# KiCad board TRS80IJP_1.kicad_pcb (continued)
## Routing (per net, layer and track width the routed paths; a pad name or vN(x,y) marks a point on that pad's centre or on a via; arc(x,y) is an arc through that point) (continued)
/D4: length 350.6
  Top w0.25: v1(341.11,145.87) 341.63,146.39 v1(346.05,146.39) 351.11,146.39 352.18,145.32 RP1.2 ; E1.18 350.25,173.92 349.78,173.45 349.78,173.43 348.83,172.48 v1(348.83,168.73) ; v1(341.03,87.38) 341.33,87.08 349.81,87.08 351.1,85.79 Z30.13 ; v1(342.89,102.29) 342.65,102.53 339.87,102.5 338.99,102.5 338.98,102.51 338.16,102.51 Z23.12 ; v1(250.87,127.52) 252.76,129.41 278.17,129.41 280.89,132.13 294.49,132.13 294.51,132.11 294.81,132.74 297.38,137.96 297.7,138.46 307.62,138.47 312.92,132.39 326.35,132.43 327.5,133.58 336.11,133.58 336.87,132.82 341.69,132.82 341.7,132.83 342.32,132.83 342.72,132.43 344.86,132.43 v1(345.29,132.86)
  Bottom w0.25: v1(346.05,146.39) 348.17,148.51 348.17,158.44 349.49,159.76 349.49,168.07 v1(348.83,168.73) ; Z12.16 172.26,109.09 172.26,120.47 174.23,122.44 181.85,122.44 185.72,126.31 194.17,126.31 201.67,133.81 234.14,133.81 238.56,129.39 249,129.39 v1(250.87,127.52) 250.87,123.08 252.64,121.31 252.64,116.95 Z18.2 ; v1(342.89,102.29) 343.06,102.29 345.19,100.16 345.19,95.42 340.99,91.22 340.99,87.42 v1(341.03,87.38) ; Z23.12 338.5,102.85 338.5,103.17 338.83,103.5 343.83,108.18 343.83,124.51 344.9,125.58 344.9,132.47 v1(345.29,132.86) 345.29,134.66 343.18,136.77 343.18,143.8 v1(341.11,145.87)
/D5: length 358.4
  Top w0.25: 353.56,104.99 350.18,104.99 348.76,103.57 345.11,103.57 343.68,105 Z23.13 ; v1(373.94,134.18) 372.81,133.05 360.27,132.85 357.96,135.16 352.12,135.16 350.52,133.56 347.74,133.56 346.63,134.67 343.47,134.67 343.04,134.24 v1(343.04,134.18) 342.76,133.9 337.45,133.9 336.91,134.44 327.04,134.44 325.97,133.37 313.15,133.34 303.93,144.64 299.1,144.61 298.01,142.14 297.66,141.27 297.35,140.55 296.68,138.78 295.89,137 295.19,135.52 294.43,133.89 293.97,132.98 293.96,132.99 280.59,132.99 277.76,130.16 252.45,130.16 251.08,129.09 249.57,128.81 247.85,127.68 v1(241.82,127.84) ; v1(361.26,171.58) 362.9,173.22 362.9,178.8 E1.28
  Bottom w0.25: Z12.15 173,105.75 173.15,119.83 174.89,121.57 182.27,121.57 186.17,125.47 194.11,125.56 202.04,132.95 233.52,132.95 238.63,127.84 v1(241.82,127.84) 241.21,127.23 241.21,116.15 242.27,115.09 Z17.2 ; 338.37,105.07 343.02,109.72 343.02,124.89 344.05,125.92 344.05,133.21 343.08,134.18 v1(343.04,134.18) ; v1(361.26,171.58) 361.03,171.35 361.03,167.25 369.85,160.24 369.7,141.63 371.47,140.5 374.15,139.09 374.2,139.04 374.2,134.44 v1(373.94,134.18)
/D6: length 418.7
  Top w0.25: Z59.3 166.23,32.5 v1(166.25,32.47) ; v1(364.64,137.75) 364.55,137.66 353.73,137.66 RP1.5 353.34,138.05 352.06,138.05 352.05,138.06 v1(340.89,138.06) 333.86,138.06 333.41,137.61 330.2,137.61 329.51,138.3 326.95,138.3 322.87,134.22 315.62,134.22 313.59,134.19 304.29,145.34 304.11,145.52 298.58,145.54 297.18,142.47 295.74,139.04 294.22,135.47 293.42,133.91 293.25,133.74 280.04,133.74 277.17,130.87 252.37,130.87 251.8,130.3 250.91,130.3 249.95,129.34 220.75,129.34 v1(219.17,127.76) ; E1.24 357.87,173.66 v1(356.02,171.81) ; 345.94,107.53 338.46,107.53 338.37,107.61
  Bottom w0.25: v1(364.64,137.75) 365.25,138.36 365.25,148.93 364.5,149.68 364.52,159.32 361.82,161.46 356.47,165.71 356.44,166.06 356.44,171.39 v1(356.02,171.81) ; v1(340.89,138.06) 341.71,137.24 341.74,137.24 341.78,137.2 341.78,133.18 343.23,131.73 343.24,131.73 343.24,126.18 342.22,125.16 342.22,110.89 338.96,107.63 338.96,107.61 338.89,107.54 Z23.14 ; Z16.2 230.41,115.09 229.47,116.03 229.47,121.81 223.5,127.78 219.19,127.78 v1(219.17,127.76) 215.09,131.84 204,131.84 202.5,131.82 200.2,130.07 194.55,124.73 186.57,124.73 182.63,120.79 175.69,120.79 173.84,118.94 173.84,105.59 Z12.14 168.4,100.15 168.4,73.59 167.06,72.25 167.06,68 168.43,66.63 168.43,55.7 166.73,54 166.73,40.12 166,39.39 166,32.72 v1(166.25,32.47)
/D7: length 530.6
  Top w0.25: v1(80.68,5.22) 80.88,5.22 81.9,6.23 87.61,6.21 88.06,6.65 96.18,6.62 97.48,5.2 106.38,5.2 108.91,7.73 117.59,7.73 117.97,7.35 130.34,7.35 132.14,9.15 140.49,9.15 140.51,9.13 140.75,9.13 143.23,11.61 160.19,11.61 162.86,8.94 v1(165.15,8.94) ; v1(166.21,27.32) 166.12,27.42 Z59.5 ; E1.20 352.79,173.47 v1(351.03,171.71) ; 338.3,112.56 338.35,112.61 345.94,112.61 ; v1(215.24,122.61) 215.26,122.63 v1(215.26,128.55) 216.85,130.14 248.53,129.98 250.22,130.66 251.88,131.39 252.41,131.64 276.63,131.64 279.62,134.63 292.65,134.63 292.66,134.64 294.8,139.33 297.85,146.41 334.45,146.27 338.51,142.21 v1(339.68,142.21) 339.69,142.22 v1(347.55,142.22) 348.14,142.81 353.66,142.81 RP1.3
  Bottom w0.25: v1(351.03,171.71) 351.36,171.38 351.36,159.28 350.14,158.06 350.14,144.81 v1(347.55,142.22) ; 338.3,112.56 338.7,112.56 340.56,114.42 340.56,128.64 339.45,129.75 339.45,131.81 340.79,133.15 340.79,135.84 339.36,137.27 339.36,141.89 v1(339.68,142.21) ; v1(80.68,5.22) 80.67,5.22 75.95,9.94 75.95,13.2 73.54,15.61 73.54,22.7 72.12,24.12 72.12,30.75 Z53.2 ; v1(165.15,8.94) 165.15,9.06 165.93,9.84 165.93,13.36 168.05,15.48 168.05,25.48 v1(166.21,27.32) 166.21,27.4 167.81,29 167.81,34.58 167.22,35.17 167.22,40.3 167.66,40.74 167.66,53.74 169.14,55.22 169.14,67.49 167.92,68.71 167.92,71.91 169.45,73.44 169.45,91.01 169.14,91.32 169.14,98.35 Z12.13 171.81,100.99 172.51,102.03 172.81,102.54 174.6,105.4 174.61,105.51 174.7,118.58 176.23,120.11 182.4,120.11 182.42,120.09 183.24,120.09 187.1,123.95 195.17,123.95 200.52,129.3 214.51,129.3 v1(215.26,128.55) ; v1(215.24,122.61) 214.67,122.04 214.67,116.48 215.9,115.25 216.43,115.25 Z15.2
/KEYBOARD & EDGE CONNECTOR/MD0: length 366.5
  Top w0.25: v1(247.04,57) 242.93,61.11 235.76,61.11 231.23,56.58 224.11,56.58 222.86,57.83 Z43.9 211.48,57.83 210.29,56.64 204.88,56.64 203.69,57.83 Z42.9 ; v1(365.36,120.2) 365.25,120.31 RP2.3 357.7,120.31 355.08,117.69 351,117.69 349.73,118.95 335.47,118.95 334.9,118.38 332.58,118.38 331.92,119.04 v1(323.68,119.04) ; v1(254.61,79.62) 254.61,79.44 255.68,78.37 264.88,78.37 265.85,79.34 278.1,79.34 279.33,80.57 287.03,80.57 288.14,79.46 299.09,79.46 301.27,77.28 304.04,77.28 305.69,78.93 310.96,78.93 v1(311.72,78.17)
  Bottom w0.25: v1(254.61,79.62) 254.61,78.21 249.71,73.31 249.71,64.59 249.75,64.55 246.87,61.67 246.87,57.17 v1(247.04,57) ; v1(365.36,120.2) 365.61,119.95 365.1,114.11 364.59,111.06 364.59,94.8 365.61,92.52 365.86,91.25 365.36,88.71 365.1,72.2 365.1,44.26 365.36,44 368.66,41.97 374.25,38.67 374.25,8.44 377.11,5.58 377.11,4.68 ; v1(323.68,119.04) 323,118.36 323,114.91 Z22.14 323.45,109.74 323.45,85.66 320.66,82.87 314.06,82.87 311.72,80.53 v1(311.72,78.17)
  Bottom w1.5: 376.88,4.19 376.86,4.16 CN3.11
/KEYBOARD & EDGE CONNECTOR/MD1: length 380.8
  Top w0.25: v1(316.83,112.82) 315.19,112.82 314.14,113.87 309.91,113.87 308.58,112.55 305.35,112.55 ; v1(252.69,80.99) 255.33,80.99 257.18,79.14 264.05,79.14 265.18,80.27 277.59,80.27 278.71,81.39 287.65,81.39 288.67,80.37 301.83,80.37 v1(303.15,79.05) ; v1(316.83,120.15) 321.78,120.15 323.09,121.46 332.17,121.46 332.66,121.95 334.74,121.95 335.21,121.48 340.86,121.48 342.12,120.23 345.94,120.23 346.02,120.15 350.05,120.15 351.22,118.98 354.77,118.98 355.65,119.86 355.65,121.59 357.12,123.06 360.14,123.06 ; v1(245.89,54.31) 245.65,54.55 232.82,54.55 232.37,54.1 224.09,54.1 222.9,55.29 Z43.10 211.61,55.29 210.33,54.01 206.69,54.01 206.05,53.37 198.75,53.37 196.83,55.29 Z42.10
  Bottom w0.25: v1(316.83,120.15) v1(316.83,112.82) ; v1(303.15,79.05) 303.15,80 302.63,80.52 302.63,85.46 307.27,88.39 307.31,88.42 307.36,88.47 307.36,111.34 306.15,112.55 305.35,112.55 ; v1(252.69,80.99) 252.69,78.13 248.92,74.36 248.92,65.06 245.5,61.64 245.5,54.9 245.89,54.51 v1(245.89,54.31) ; 374.38,4.19 374.38,3.69 373.65,2.96 366.61,3 364.85,1.27 CN3.16 ; 373.08,7.69 374.54,6.29 374.57,5.97 374.57,4.68 ; 373.07,7.7 373.06,38.26 368.73,40.89 364.34,43.59 364.44,88.66 364.83,90.07 364.83,92 364.13,93.17 363.69,94.44 363.44,97.4 363.72,110.12 364.17,116.56 363.47,121.2 361.8,122.32 RP2.2
/KEYBOARD & EDGE CONNECTOR/MD2: length 376.4
  Top w0.25: v1(268.71,87.4) 269.13,87.82 290.69,87.82 v1(291.39,87.12) 292.35,88.08 316.24,88.08 317.69,89.53 317.69,91.51 322.32,96.14 322.32,109.07 324.53,111.28 333.67,111.28 336.21,113.82 349.44,113.82 350.68,112.57 350.72,112.61 353.69,112.61 353.98,112.32 356.93,112.32 358.42,113.81 358.42,114.87 358.78,115.23 RP2.5 ; Z42.11 197.58,52.75 198.29,52.04 206.49,52.04 207.01,51.52 210.55,51.52 211.78,52.75 Z43.11 214.03,52.95 214.4,52.95 222.47,52.89 225.6,51.49 231.9,51.49 232.56,52.15 240.47,52.15 241.22,51.4 243.39,51.4 244.92,52.93 248.09,52.93 251.69,56.53 256.24,56.53 v1(257.03,55.74) ; CN3.10 379.36,1.94 378.69,2.61 373.88,2.61 372.67,3.82 372.67,3.83 372.31,4.19 371.88,4.19
  Bottom w0.25: v1(291.39,87.12) 293.23,88.96 293.23,97.73 293.74,98.24 293.74,111.26 292.45,112.55 Z20.14 ; 372.03,4.68 372.03,37.91 369.93,39.18 369.45,39.43 368.18,40.19 367.39,40.7 364.59,42.48 363.73,43.09 363.58,43.24 363.58,90.23 363.83,90.74 363.83,92.01 362.82,93.79 362.82,114.87 362.56,115.12 360.12,115.12 RP2.5 ; v1(268.71,87.4) 271.18,84.93 271.14,80.29 264.38,76.05 264.26,72.24 257.03,65.01 v1(257.03,55.74)
/KEYBOARD & EDGE CONNECTOR/MD3: length 340.9
  Top w0.25: v1(362.47,91.31) 363.74,90.04 363.74,83.88 363.14,83.28 v1(361.42,83.28) 353.71,83.28 353.67,83.24 351.98,83.24 350.56,84.65 327.91,84.65 325.26,81.87 310.26,81.87 309.07,80.68 304,80.68 303.46,81.22 289.15,81.22 288.33,82.04 287.23,82.04 286.94,82.33 278.01,82.33 277.51,81.83 v1(276.2,81.83) 275.95,81.58 265.13,81.58 263.56,80.01 257.69,80.01 255.09,82.61 251.02,82.61 v1(250.7,82.29) ; Z42.13 210.73,50.21 211.99,51.47 215.91,51.47 216.45,52.01 222.41,51.99 224.87,50.93 225.92,50.43 226.49,50.22 226.47,50.21 Z43.13 231.99,50.21 232.92,51.14 239.82,51.14 240.55,50.41 245.03,50.41 v1(245.69,51.07) ; CN3.13 369.38,3.74 369.38,4.19
  Bottom w0.25: v1(361.42,83.28) 362.56,82.14 362.82,42.73 363.07,42.48 364.34,41.72 370.85,37.4 370.85,6.04 369.49,4.68 ; v1(250.7,82.29) 250.7,77.28 248.04,74.62 248.04,65.44 244,61.4 244,58.1 244.52,57.58 244.52,54.93 244.16,54.57 244.16,52.6 v1(245.69,51.07) ; RP2.7 361.11,110.15 361.78,109.48 361.78,93.41 361.77,93.4 361.77,92.01 v1(362.47,91.31) ; v1(276.2,81.83) 276.77,82.8 279.32,89.45 279.41,101.97 279.42,101.98 279.42,110.54 279.41,110.54 Z19.14
/KEYBOARD & EDGE CONNECTOR/MD4: length 343.7
  Top w0.25: Z42.14 210.45,52.75 211.55,53.91 223.15,53.91 224.31,52.75 Z43.14 229.31,52.51 231.46,52.51 232.04,53.09 v1(242.22,53.09) ; v1(248.99,83.28) 249.22,83.51 255.76,83.51 258.21,81.06 260.01,81.06 260.96,82.01 v1(260.96,82.26) 260.96,82.46 262.13,83.63 271.08,83.63 271.1,83.61 271.74,83.61 272.69,84.56 287.5,84.56 288.64,83.42 293.37,83.42 295.06,85.11 313.83,85.11 315.7,83.24 324.43,83.24 331.61,90.42 342.41,90.42 343.25,89.58 349.8,89.58 350.99,88.39 353.68,88.39 353.75,88.32 353.78,88.34 359.8,88.34 v1(360.23,88.77)
  Bottom w0.25: RP2.9 360.67,104.41 360.67,89.21 v1(360.23,88.77) 359.79,88.33 359.79,82.97 361.92,80.84 361.92,42.43 362.01,42.34 369.57,37.32 369.6,36.65 369.6,7.33 366.95,4.68 ; v1(248.99,83.28) 248.99,76.71 247.16,74.88 247.16,65.93 243.01,61.78 243.01,57.65 243.56,57.1 243.56,55.27 242.19,53.9 242.19,53.12 v1(242.22,53.09) ; CN3.18 360.79,2.7 365.39,2.7 366.88,4.19 ; Z18.14 263.37,112.55 264.15,111.77 264.15,95.94 262.85,94.64 262.85,86.13 265.62,83.36 265.62,81.79 264.62,80.79 262.43,80.79 v1(260.96,82.26)
/KEYBOARD & EDGE CONNECTOR/MD5: length 357.5
  Top w0.25: 364.38,4.19 365.58,5.38 370.54,5.38 370.56,5.36 370.56,3.86 371.4,3.02 372.61,3.02 CN3.12 ; Z42.15 210.26,55.29 211.6,56.63 222.79,56.63 224.13,55.29 Z43.15 232.02,55.29 232.77,56.04 v1(242.09,56.04) ; v1(246.92,86.72) 247.12,86.52 263.3,86.52 264.67,85.15 270.71,85.15 271.66,86.1 288.47,86.1 289.68,84.89 292.61,84.89 294.33,86.61 316.89,86.61 319.28,89 319.28,90.94 323.8,95.46 323.8,106 325.13,107.33 328.28,107.33 329.42,106.19 329.43,106.2 348.96,106.2 350.29,107.53 359.93,107.53 RP2.8
  Bottom w0.25: v1(242.09,56.04) 241.86,56.27 241.86,61.88 246.13,66.15 246.13,75.36 247.71,76.94 247.71,80.95 246.62,82.04 246.62,86.42 v1(246.92,86.72) 249.48,86.72 251.37,88.61 251.37,95.79 249.1,98.06 249.1,111.8 249.85,112.55 Z17.14 ; 364.41,4.68 364.45,4.72 364.45,5.62 364.72,5.89 368.27,9.31 368.49,36.51 368.5,37.11 365.94,38.76 361.6,41.59 361.04,42.18 361.04,80.21 358.74,82.51 358.74,89.5 359.65,90.41 359.65,100.66 357.45,103.01 357.43,105.88 358.73,107.25 360.14,107.82
/KEYBOARD & EDGE CONNECTOR/MD6: length 352
  Top w0.25: v1(230.44,86.57) 231.09,85.92 239.55,85.92 v1(240.27,86.64) 240.66,87.03 245.19,87.03 246.07,87.91 247.77,87.91 248.49,87.19 263.79,87.19 265.08,85.9 270.37,85.9 271.37,86.9 288.93,86.9 290.1,85.73 292.38,85.73 294.02,87.37 316.52,87.37 318.28,89.13 318.28,91.05 323.11,95.88 323.11,106.31 325.54,108.74 341.34,108.74 342.67,110.07 349.6,110.07 351.01,108.65 356.67,108.65 v1(357.44,109.42) 357.44,111.2 358.93,112.69 RP2.6 ; Z43.16 224.25,57.83 223.1,58.98 211.4,58.98 210.25,57.83 Z42.16 ; CN3.15 365.35,2.78 362.77,2.78 361.88,3.67 361.88,4.19
  Bottom w0.25: v1(240.27,86.64) 240.27,95.63 237.64,98.26 237.64,110.9 Z16.14 ; v1(357.44,109.42) 356.56,108.54 356.56,96.65 358.82,94.39 358.82,90.6 357.88,89.66 357.88,81.96 360.18,79.66 360.18,41.68 362.57,40 365.77,37.87 365.85,37.84 367.35,36.63 367.02,10.67 362.28,5.88 361.95,5.55 361.95,4.76 361.87,4.68 ; Z43.16 231.78,60.54 231.78,85.23 v1(230.44,86.57)
/KEYBOARD & EDGE CONNECTOR/MD7: length 355.6
  Top w0.25: v1(356.39,91.35) 355.64,92.1 351.72,92.1 351.4,91.78 348.97,91.78 348.66,92.09 343.76,92.09 342.68,91.01 331.87,91.01 331.85,91.03 331.21,91.03 324.12,83.94 316.23,83.94 314.3,85.87 294.66,85.87 292.99,84.2 289.25,84.2 288.13,85.32 272.01,85.32 271.02,84.33 264.5,84.33 263.01,85.82 247.87,85.82 246.81,84.76 228.95,84.76 v1(227.93,85.78) ; 359.38,4.19 359.38,3.74 CN3.17 ; Z42.17 210.27,60.37 211.54,61.64 216.23,61.64 216.46,61.41 222.23,61.41 222.98,62.16 227.15,62.16 228.94,60.37 Z43.17 ; Z24.4 345.99,115.06 349.74,115.06 350.87,113.93 v1(356.07,113.93) 356.07,116.59 357.25,117.77 RP2.4
  Bottom w0.25: Z15.14 225.03,112.55 226.2,111.38 226.2,93.7 225.54,93.04 225.54,87.32 227.08,85.78 v1(227.93,85.78) 228.62,85.78 231.05,83.35 231.05,62.35 Z43.17 ; v1(356.07,113.93) 355.79,113.65 355.79,95.99 357.66,94.12 357.66,92.62 v1(356.39,91.35) 356.91,90.83 356.91,81.59 359.32,79.18 359.32,40.91 361.73,39.51 362.68,38.94 363.51,38.4 365.83,36.74 365.82,11.17 359.33,4.68
/MEMORY/SMA0: length 108.9
  Top w0.25: R104.2 215.25,107.47 Z15.5 218.91,107.47 220.25,106.13 226.56,106.13 227.9,107.47 Z16.5 234.25,107.47 235.51,106.21 240.95,106.21 242.21,107.47 Z17.5 245.56,107.47 246.9,106.13 252.03,106.13 253.37,107.47 Z18.5 256.99,107.47 258.3,106.16 265.01,106.16 266.32,107.47 Z19.5 272.43,107.47 273.67,106.23 279.78,106.23 281.02,107.47 Z20.5 286.28,107.47 287.6,106.15 293.8,106.15 295.12,107.47 300.94,107.47 302.21,106.2 308.84,106.2 310.11,107.42 310.17,107.47 Z22.5
/MEMORY/SMA1: length 108
  Top w0.25: Z22.7 310.75,102.39 309.36,101 301.78,101 300.39,102.39 296.09,102.39 294.76,101.06 287.19,101.06 285.86,102.39 Z20.7 281.78,102.39 280.51,101.12 273.53,101.12 272.26,102.39 Z19.7 266.85,102.39 265.6,101.14 257.85,101.14 256.6,102.39 Z18.7 253.18,101.07 246.71,101.07 245.39,102.39 Z17.7 242.36,102.39 240.98,101.01 235.07,101.01 233.69,102.39 Z16.7 228.02,102.39 226.61,100.98 219.69,100.98 218.28,102.39 Z15.7 216.58,102.4 R107.2
/MEMORY/SMA2: length 111.7
  Top w0.25: Z22.6 310.54,104.93 310.49,104.92 309.04,103.55 302.23,103.55 300.85,104.93 295.53,104.93 294.19,103.59 287.51,103.59 286.17,104.93 Z20.6 281.28,104.93 280.05,103.7 273.7,103.7 272.47,104.93 Z19.6 266.81,104.93 266.71,104.9 265.41,103.63 258.18,103.63 256.88,104.93 Z18.6 253.67,104.93 252.29,103.55 246.82,103.55 245.44,104.93 Z17.6 240.37,103.7 235.15,103.68 233.9,104.93 Z16.6 228.26,104.93 226.9,103.57 220.11,103.57 218.75,104.93 Z15.6
  Bottom w0.25: R108.2 214.01,99.82 214.75,100.56 214.75,103.88 215.8,104.93 Z15.6
/MEMORY/SMA3: length 117.6
  Top w0.25: R103.2 214.3,110.69 215.22,108.85 218.69,108.85 220.07,107.47 Z15.12 226.72,107.47 227.88,108.63 234.68,108.63 235.84,107.47 Z16.12 241.01,107.47 242.23,108.69 245.77,108.69 246.99,107.47 Z17.12 252.29,107.47 253.5,108.68 257.21,108.68 258.42,107.47 Z18.12 265.2,107.47 266.46,108.73 272.43,108.73 273.7,107.46 273.71,107.47 Z19.12 279.98,107.47 281.2,108.69 286.55,108.69 287.77,107.47 Z20.12 293.96,107.47 295.17,108.68 301.16,108.68 302.37,107.47 308.96,107.47 310.22,108.73 319.38,108.73 Z22.12
/MEMORY/SMA4: length 116
  Top w0.25: Z22.11 319.41,106.16 310.22,106.16 308.99,104.93 302.08,104.93 300.77,106.24 295.42,106.24 294.11,104.93 Z20.11 287.65,104.93 287.61,104.94 286.35,106.09 281.04,106.09 279.88,104.93 Z19.11 273.82,104.93 272.63,106.12 266.44,106.12 265.25,104.93 Z18.11 258.18,104.93 256.99,106.12 253.5,106.12 252.31,104.93 Z17.11 246.77,104.93 245.58,106.12 242.12,106.12 240.93,104.93 Z16.11 235.27,104.93 234.07,106.13 228.08,106.13 226.88,104.93 Z15.11 220.12,104.93 218.8,106.2 215.09,106.2 213.84,107.45 R105.2
/MEMORY/SMA5: length 116
  Top w0.25: Z22.10 319.42,103.61 310.44,103.61 309.22,102.39 301.99,102.39 301.98,102.38 300.73,103.63 295.88,103.63 294.64,102.39 Z20.10 287.33,102.39 286.04,103.68 281.57,103.68 280.28,102.39 Z19.10 273.84,102.39 273.8,102.4 272.52,103.63 266.56,103.63 265.32,102.39 Z18.10 258.16,102.39 258.17,102.4 256.86,103.57 253.58,103.57 252.4,102.39 Z17.10 246.77,102.39 246.71,102.41 245.38,103.6 242.07,103.6 240.86,102.39 Z16.10 235.06,102.39 233.86,103.59 228.14,103.59 226.95,102.4 226.23,102.4 226.22,102.39 Z15.10 219.94,102.39 218.75,103.58 213.97,103.58 R106.2
/MEMORY/SMA6: length 117.5
  Top w0.25: Z22.13 315.39,110.01 314.14,111.26 310.12,111.26 308.87,110.01 302.29,110.01 301.13,111.17 294.9,111.17 293.74,110.01 Z20.13 288.31,110.01 287.08,111.24 281.28,111.24 280.05,110.01 Z19.13 273.66,110.01 272.45,111.22 266.17,111.22 264.96,110.01 Z18.13 258.38,110.01 257.17,111.22 253.51,111.22 252.3,110.01 Z17.13 246.93,110.01 246.9,109.98 245.69,111.19 242.11,111.19 240.93,110.01 Z16.13 236.11,110.01 236.06,109.96 234.77,111.25 227.89,111.25 226.65,110.01 Z15.13 220.18,110.01 218.91,111.28 215.35,111.28 214.71,112.38 214.21,113.38 R102.2
/RAM/BIT0: length 36.6
  Top w0.25: v1(142.97,110.58) 143.05,110.5 146.07,110.5 146.84,111.27 149.15,111.27 150.43,112.55 Z11.14 ; Z12.8 158.76,99.85 v1(158.71,99.8)
  Bottom w0.25: v1(142.97,110.58) 142.92,110.53 142.92,109.04 141.35,107.47 Z10.14 ; Z11.14 157.74,110.12 157.84,100.7 157.87,100.6 157.96,100.5 v1(158.71,99.8)
/RAM/BIT1: length 43.2
  Top w0.25: v1(142.8,97.27) 158.11,97.27 v1(158.15,97.31) Z12.9
  Bottom w0.25: Z11.13 156.94,108.38 156.96,108.38 156.96,98.28 157.93,97.31 v1(158.15,97.31) ; Z10.13 141.96,103.14 141.96,97.8 142.49,97.27 v1(142.8,97.27)
/RAM/BIT2: length 38.8
  Top w0.25: v1(137.71,112.38) 137.71,112.29 138.79,111.21 141.3,111.21 142.68,112.59 142.72,112.55 Z11.3 148.83,112.55 150.03,113.75 158.27,113.75 158.64,113.38 161.36,113.38 163.02,115.04 Z12.2
  Bottom w0.25: v1(137.71,112.38) 137.71,104.85 Z10.12
/RAM/BIT3: length 32.8
  Top w0.25: Z11.6 143.64,104.93 v1(143.54,104.83) ; Z12.3 159.22,112.55 157.81,111.14 151.12,111.14 v1(151.08,111.17) ; Z10.11 143.49,99.85 v1(143.55,99.79)
  Bottom w0.25: Z11.6 149.55,106.79 149.55,109.64 v1(151.08,111.17) ; v1(143.54,104.83) 143.54,99.8 v1(143.55,99.79)
/RAM/BIT4: length 40.2
  Top w0.25: Z9.14 128.94,107.47 128.95,107.46 130.24,108.75 146.43,108.75 Z11.4 151.24,110.01 152.59,108.66 161.67,108.66 Z12.4
/RAM/BIT5: length 40.4
  Top w0.25: Z12.5 160.48,104.93 Z11.11 151.8,104.93 151.71,104.84 150.5,106.06 145.06,106.06 145.05,106.05 144.6,106.5 142.71,106.5 142.37,106.16 130.32,106.16 129.09,104.93 Z9.13
/VIDEO/CA0: length 116.6
  Top w0.25: v1(159.36,115.08) 159.35,115.09 Z11.15 ; v1(158.61,49.11) 153.59,49.11 152.37,50.33 Z39.6 146.62,50.33 145.18,48.89 137.35,48.89 136,50.24 Z38.7 131.18,50.24 129.87,48.93 123.6,48.93 122.29,50.24 Z37.7
  Bottom w0.25: v1(158.61,49.11) 158.79,50.39 158.88,50.67 160.5,53.74 160.68,68.07 160.68,69.08 162.71,71.11 162.71,91.4 160.73,93.38 160.73,110.95 159.36,112.32 v1(159.36,115.08)
/VIDEO/CA1: length 111.7
  Top w0.25: Z11.12 159.05,107.47 v1(159.33,107.19) ; Z39.10 154.04,46.38 145.33,46.38 145.32,46.36 145.1,46.58 v1(144.98,46.58) ; v1(145.05,51.4) 137.59,51.4 136.21,52.78 Z38.6 131.2,52.78 130,51.58 123.48,51.58 122.28,52.78 Z37.6
  Bottom w0.25: v1(145.05,51.4) 145.05,46.65 v1(144.98,46.58) ; Z39.10 157.18,49.9 157.83,51.1 159.64,54.02 159.63,69.32 161.45,71.14 161.45,90.59 159.9,92.14 159.9,92.93 159.91,92.94 159.91,102.05 159.33,102.63 v1(159.33,107.19)
/VIDEO/CA2: length 107.6
  Top w0.25: v1(151.57,52.66) 151.36,52.87 Z39.5 144.3,52.87 143.14,54.03 137.34,54.03 136.05,55.32 Z38.5 131.19,55.32 130,54.13 123.44,54.13 122.7,54.87 118.06,54.87 117.61,55.32 Z37.5
  Bottom w0.25: v1(151.57,52.66) 152.75,53.84 152.75,56.13 151.33,57.55 151.33,63.73 155.05,67.45 155.05,76.34 151.03,80.11 151.42,105.65 152.64,106.87 152.64,113.57 151.12,115.09 Z11.2
/VIDEO/CA3: length 104.4
  Top w0.25: Z39.11 154.56,50.33 153.75,51.14 153.75,52.56 152.2,54.11 144.64,54.11 142.08,56.67 137.3,56.67 136.11,57.86 Z38.4 131.1,57.86 129.69,56.45 123.38,56.45 121.48,58.34 118.44,58.34 117.96,57.86 Z37.4
  Bottom w0.25: Z39.11 150.74,51.04 149.5,52.23 149.5,64.35 153.51,68.36 153.51,75.24 149.35,79.33 149.65,100.43 Z11.7
/VIDEO/CA4: length 95.8
  Top w0.25: v1(150.98,55.44) 150.95,55.41 Z39.4 145.91,55.41 142.23,59.09 137.34,59.09 136,60.43 135.97,60.4 Z38.3 131.07,60.4 129.88,59.21 123.52,59.21 122.26,60.47 122.19,60.4 Z37.3 ; Z11.5 v1(151.1,107.47)
  Bottom w0.25: v1(151.1,107.47) 150.68,107.05 150.68,107.04 150.17,79.8 154.28,75.65 154.28,67.71 150.49,63.92 150.49,55.93 v1(150.98,55.44)
/VIDEO/CA5: length 98.5
  Top w0.25: Z37.2 122.49,62.94 123.79,61.64 127.23,61.64 127.45,61.42 129.52,61.42 131.04,62.94 Z38.2 136.43,62.94 137.85,61.53 142.36,61.53 144.81,59.08 152.31,59.08 v1(152.86,58.53)
  Bottom w0.25: Z11.10 152.98,100.06 153.05,82.66 157.22,78.28 157.17,78.15 157.18,74.27 157.4,59.92 157.4,59.07 157.37,58.22 157.34,57.46 157.31,54.71 156.38,52.87 Z39.12 153.62,54.6 153.65,57.29 v1(152.86,58.53)
/VIDEO/CD0: length 45.3
  Top w0.25: Z38.12 137.34,50.24 136.07,51.51 132.4,51.51 132.39,51.52 131.16,51.52 129.87,50.23 129.86,50.24 Z37.12 ; v1(137.62,27.4) 137.59,27.43 Z57.4
  Bottom w0.25: Z38.12 138.6,48.5 138.6,28.38 v1(137.62,27.4)
/VIDEO/CD1: length 52.6
  Top w0.25: v1(137.69,24.27) 137.49,24.07 133.52,24.07 133.52,24.08 Z57.5 ; Z38.13 137.73,52.78 137.63,52.68 136.27,54.04 131.33,54.04 130.07,52.78 Z37.13
  Bottom w0.25: Z38.13 137.71,50.15 137.71,30 136.29,28.58 136.29,25.67 v1(137.69,24.27)
/VIDEO/CD2: length 55.7
  Top w0.25: Z37.14 129.94,55.32 131.16,56.54 136.05,56.54 137.34,55.25 137.41,55.32 Z38.14
  Bottom w0.25: Z57.10 135.68,24.46 135.68,29.16 136.89,30.37 136.89,51.87 Z38.14
/VIDEO/CD3: length 59.8
  Top w0.25: v1(135.17,22.24) 135.28,22.35 Z57.11 ; Z38.15 137.29,57.86 136.04,59.11 130.93,59.11 129.64,57.82 129.6,57.86 Z37.15
  Bottom w0.25: Z38.15 135.89,53.41 135.89,30.54 134.6,29.25 134.6,22.81 v1(135.17,22.24)
/VIDEO/CD4: length 53.5
  Top w0.25: Z38.16 137.69,60.4 137.54,60.25 136.16,61.63 131.09,61.63 129.86,60.4 Z37.16
  Bottom w0.25: Z57.12 142.15,26.71 142.15,58.59 Z38.16
BIT6: length 122.8
  Top w0.25: Z9.12 129.04,102.39 130.27,103.62 161.71,103.62 Z12.6
  Bottom w0.25: Z9.12 123.26,100.64 123.26,82.11 121.66,80.51 121.66,66.23 122.1,65.79 122.1,58.53 122.55,58.08 122.55,52.32 121.88,51.65 121.88,36.36 122.25,35.99 122.25,29.95 120.78,28.48 120.78,26.65 121.53,25.9 123.23,25.9 124.76,27.43 Z56.13
BIT7: length 122.5
  Top w0.25: Z56.4 122.37,27.43 v1(122.44,27.36) ; Z12.7 158.65,102.39 158.63,102.41 157.27,101.05 145.64,101.05 144.9,101.79 143.24,101.79 142.56,101.11 131.37,101.11 129.56,98.13 127.65,98.13 Z9.11
  Bottom w0.25: Z9.11 126.82,98.04 126.82,84.34 122.5,80.02 122.5,66.72 123.35,65.87 123.35,51.93 122.7,51.28 122.7,37.03 123.1,36.63 123.1,28.02 v1(122.44,27.36)
BLANK: length 78.8
  Top w0.25: Z54.1 90.65,35.05 v1(90.73,34.97)
  Bottom w0.25: Z56.5 119.03,23.24 119.03,14.21 110.02,5.2 93.35,5.2 88.35,10.2 88.35,25.59 90.42,27.66 90.42,34.66 v1(90.73,34.97)
C1: length 84
  Top w0.25: v1(72.24,68.74) 73.01,67.97 93.03,67.97 94.05,68.99 101.27,68.99 102.06,68.2 107.87,68.2 111.1,71.43 115.83,71.43 v1(115.92,71.34) ; v1(113.76,47.71) 113.68,47.79 Z36.10
  Bottom w0.25: v1(115.92,71.34) 115.5,70.92 115.5,62.2 115.83,61.87 115.83,49.78 v1(113.76,47.71) ; Z27.7 72,74 72,68.98 v1(72.24,68.74)
C2: length 73.3
  Top w0.25: v1(95.93,81.59) 95.47,82.05 90.32,82.05 87.92,84.45 84.24,84.45 83.26,83.47 79.88,83.47 79.85,83.5 78.34,83.5 78.07,83.24 Z27.13 ; v1(81.04,56.1) 81.48,56.54 94.68,56.54 95.42,57.28 95.42,59.05 v1(95.46,59.09) 96.6,57.95 Z36.3
  Bottom w0.25: v1(81.04,56.1) 79.9,54.96 79.9,52.16 Z34.9 ; v1(95.46,59.09) 95.46,64.27 93.56,66.17 93.56,69.97 95.71,72.12 95.71,81.37 v1(95.93,81.59)
C4: length 98.4
  Top w0.25: v1(97.21,90.81) 97.21,88.44 96.25,87.48 95.28,87.48 94.97,87.17 83.71,87.17 82.34,85.8 80.51,85.81 Z27.14 ; Z36.13 103.24,55.41 101.84,54.01 v1(97.63,54.01) 89.56,54.01 87.1,51.55 v1(81.18,51.55)
  Bottom w0.25: v1(97.63,54.01) 98.05,54.43 98.05,61.7 97.45,62.3 97.45,79.86 98.01,80.42 98.01,87.87 97.21,88.67 v1(97.21,90.81) 97.08,90.95 Z28.14 ; Z34.8 81.18,50.9 v1(81.18,51.55)
C8: length 300